# KiCad board SONATA-ONE.kicad_pcb (continued)
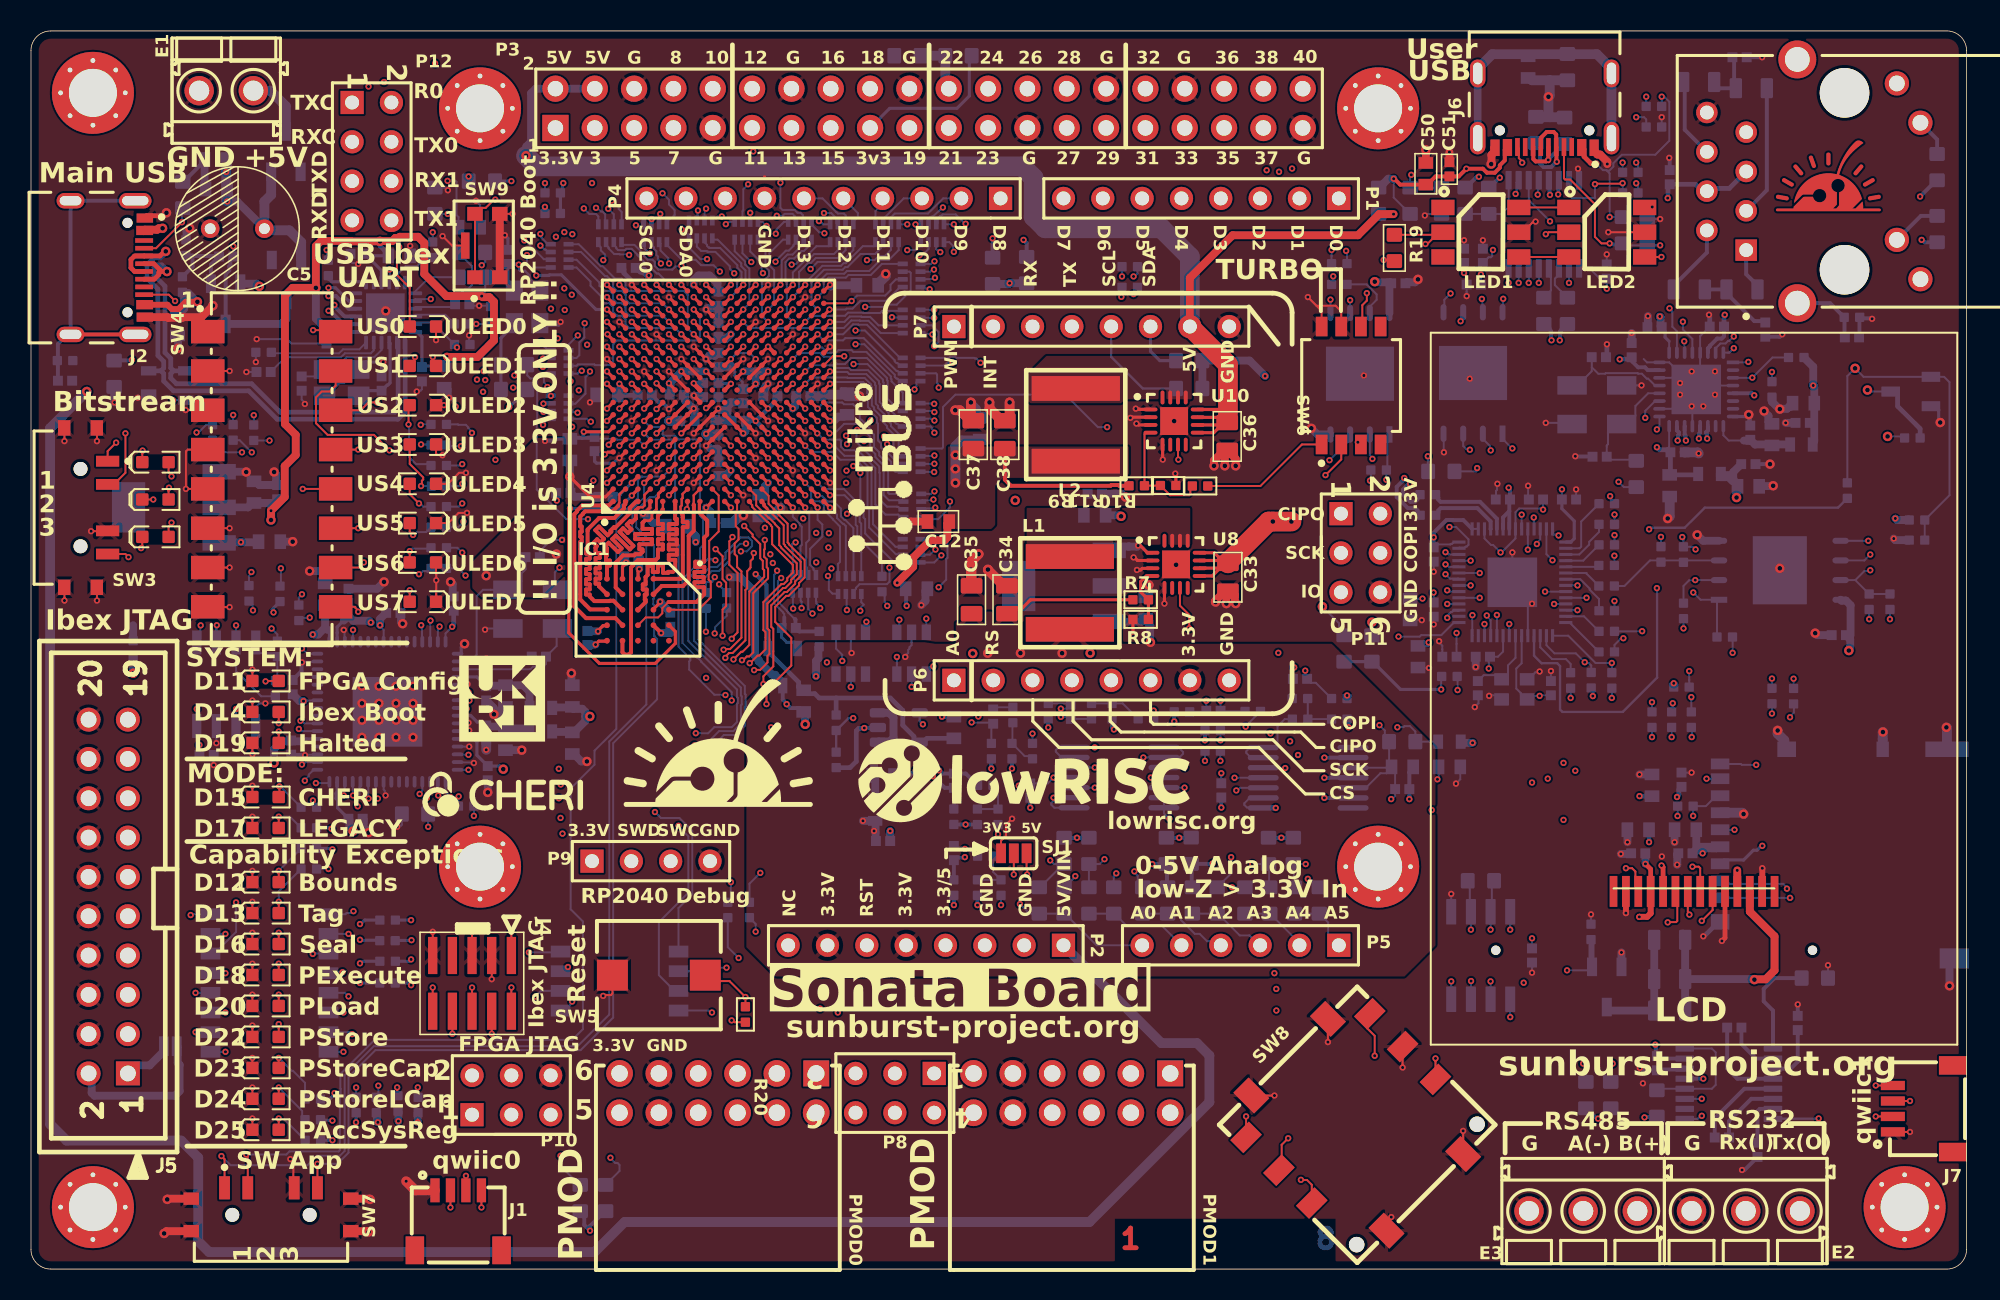
[diagram p0: board, top side]
## Library data of the parts (continued)
U15 = -: Description: IC REG LIN POS ADJ 300MA TSOT5; SUPPLIER 1: Digi-Key; CATEGORY: Voltage Regulators - Linear; STOCK 1: 14167; PRICING 1: 1=1.16000, 10=1.03300, 25=0.98000, 100=0.75250, 250=0.66500, 500=0.63000, 1000=0.49000 (USD); CASE/PACKAGE: TSOT; NUMBER OF PINS: 5; CONTACT PLATING: Tin,Matte; MIN OPERATING TEMPERATURE: -40°C; MAX OPERATING TEMPERATURE: 125°C; OUTPUT CURRENT: 300mA; DROPOUT VOLTAGE: 85mV; OUTPUT VOLTAGE: 5V; NUMBER OF OUTPUTS: 1; MAX OUTPUT CURRENT: 300mA; PACKAGING: Tape and Reel; MAX INPUT VOLTAGE: 5.5V; MIN INPUT VOLTAGE: 2.3V; NUMBER OF REGULATORS: 1; MIN CURRENT LIMIT: 350mA; POLARITY: Positive; QUIESCENT CURRENT: 45uA; REFERENCE VOLTAGE: 500mV; MIN OUTPUT VOLTAGE: 800mV; MAX OUTPUT VOLTAGE: 5V; ACCURACY: 1%; OUTPUT VOLTAGE ACCURACY: 1%; NOMINAL SUPPLY CURRENT: 45uA; OPERATING SUPPLY CURRENT: 45uA; POWER SUPPLY REJECTION RATIO (PSRR): 60dB; MAX SUPPLY CURRENT: 170uA; OUTPUT TYPE: Adjustable; LENGTH: 2.9mm; WIDTH: 1.6mm; HEIGHT: 0.9mm; REACH SVHC: No SVHC; LEAD FREE: Contains Lead; COMPONENTLINK3URL: https://datasheet.ciiva.com/2040/adp122-123-2040698.pdf?src-supplier=Digi-Key; COMPONENTLINK3DESCRIPTION: https://datasheet.ciiva.com/2040/adp122-123-2040698.pdf?src-supplier=Digi-Key; COMPONENTLINK4URL: https://datasheet.ciiva.com/2040/adp122-123-2040699.pdf?src-supplier=Digi-Key; COMPONENTLINK4DESCRIPTION: https://datasheet.ciiva.com/2040/adp122-123-2040699.pdf?src-supplier=Digi-Key; SUPPLIER PART NUMBER 1: ADP123AUJZ-R7TR-ND; .CHECKED SCH: *; .CHECKED PCB: *; MANUFACTURER PART NUMBER: ADP123AUJZ-R7; PART NUMBER: ADP123AUJZ-R7; COMPONENT GROUP: Analog IC; MANUFACTURE 1: Analog Devices Inc.; MANUFACTURE PART NUMBER 1: ADP123AUJZ-R7; PIN COUNT: 5; MOUNTING TECHNOLOGY: SMT; COMPONENT KIND: Standard; COMPONENT TYPE: Standard; PP MATERIAL STACK: 0; PP ROTATION: 0; ki_fp_filters: *SOT23-5P95_285X145L45X40*
U16 = -: Description: IC EEPROM 1K SPI 2MHZ 8SOIC; CATEGORY: IC; TEMPERATURE RANGE HIGH: +85°C; NOMINAL SUPPLY CURRENT: 0.5mA; MOUSER DESCRIPTION: EEPROM Serial-3Wire 1K-Bit 128 x 8/64 x 16 2.5V/3.3V/5V 8-Pin SOIC T/R; IPC LAND PATTERN NAME: SOIC127P600X175-8; TEMPERATURE RANGE LOW: -40°C; MEMORY SIZE: 1Kbits; TEMPERATURE: -40°C to +85°C; DIGIKEY DESCRIPTION: IC EEPROM 1K SPI 2MHZ 8SOIC; LEAD FREE: Yes; DEVICE CLASS L2: Memory; ACCESS TIME: 1000ns; COMPONENTLINK2URL: http://ww1.microchip.com/downloads/en/DeviceDoc/20006224B.pdf; MANUFACTURER: Microchip; AUTOMOTIVE: No; DEVICE CLASS L3: EEPROM; PACKAGE: C04-057-SN; MAX SUPPLY VOLTAGE: 5.5V; OCTOPART: https://octopart.com/at93c46dn-sh-t-microchip-77759177; INTERFACE: Other; ROHS: TRUE; STANDOFF HEIGHT: 0.1mm; MEMORY TYPE: EEPROM; HEIGHT: 1.75mm; MIN SUPPLY VOLTAGE: 1.8V; COMPONENTLINK2DESCRIPTION: Datasheet; FREQUENCY: 2MHz; DEVICE CLASS L1: Integrated Circuits (ICs); ki_fp_filters: *FP-C04-057-SN-MFG*
U17 U19 = -: Description: IC FLASH 256M SPI 133MHZ 8WPDFN; COMPONENT GROUP: Digital IC; MANUFACTURE 1: Winbond; PIN COUNT: 9; SUPPLIER 1: Digi-Key; MOUNTING TECHNOLOGY: SMT; ROHS: Yes; COMPONENT KIND: Standard; COMPONENT TYPE: Standard; PP MATERIAL STACK: 0; PP ROTATION: 0; PP ROTATION1: 0; ki_fp_filters: *WSON68_Micron*
U18 = -: Description: IC FLASH 64M SPI 133MHZ 8WPDFN; COMPONENT GROUP: Digital IC; MANUFACTURE 1: Winbond; PIN COUNT: 9; SUPPLIER 1: Digi-Key; MOUNTING TECHNOLOGY: SMT; ROHS: Yes; COMPONENT KIND: Standard; COMPONENT TYPE: Standard; PP MATERIAL STACK: 0; PP ROTATION: 0; PP ROTATION1: 0; ki_fp_filters: *WSON68_Micron*
U20 U21 = -: Description: None; ki_fp_filters: *TSSOP-ST14_M*
U22 U23 = -: Description: TVS DIODE 3.3V 6V SOT23-6L; PART NUMBER: TVS_4IO_3v3; COMPONENT GROUP: Analog IC; MANUFACTURE 1: Wurth Electronics Inc.; MANUFACTURE PART NUMBER 1: 824013; PIN COUNT: 6; SUPPLIER 1: Digi-Key; SUPPLIER PART NUMBER 1: 732-4466-1-ND; MOUNTING TECHNOLOGY: SMT; ROHS: Yes; COMPONENT KIND: Standard; COMPONENT TYPE: Standard; PP MATERIAL STACK: 0; PP ROTATION: 0; ki_fp_filters: *SOT95P280X145-6N*
X1 = -: Description: CRYSTAL 24.0000MHZ 10PF SMD; COMPONENT GROUP: Crystal; MANUFACTURE 1: Abracon LLC; PIN COUNT: 4; SUPPLIER 1: Digi-Key; SUPPLIER PART NUMBER 1: 535-10913-1-ND; ALTIUM_VALUE: 24.000MHz; COMPONENT KIND: Standard; COMPONENT TYPE: Standard; ki_fp_filters: *ABM8G*
X2 = -: Description: 12MHz, SMD; COMPONENT GROUP: Crystal; MANUFACTURE 1: Abracon LLC; PIN COUNT: 4; SUPPLIER 1: Digi-Key; SUPPLIER PART NUMBER 1: 535-13360-1-ND; ALTIUM_VALUE: 12.000MHz; MOUNTING TECHNOLOGY: SMT; COMPONENT KIND: Standard; COMPONENT TYPE: Standard; PP MATERIAL STACK: 0; PP ROTATION: 0; ki_fp_filters: *2.5x2mm XTAL*
Y1 = -: Description: 12MHz ±25ppm Crystal 16pF 35 Ohms 4-SMD, No Lead; SUPPLIER 1: Digi-Key; STOCK 1: 4955; PRICING 1: 1=0.590000, 10=0.488000, 50=0.439400, 100=0.390600, 500=0.371100 (USD); SUPPLIER PART NUMBER 1: 2151-H130B-12.000-16-2525-EXT-TR-ND; .CHECKED SCH: *; .CHECKED PCB: *; COMPONENT GROUP: Crystal; MANUFACTURE 1: Raltron Electronics; PIN COUNT: 4; ALTIUM_VALUE: 12.000MHz; MOUNTING TECHNOLOGY: SMT; COMPONENT KIND: Standard; COMPONENT TYPE: Standard; PP MATERIAL STACK: 0; PP ROTATION: 0; ki_fp_filters: *5x3.2MM XTAL*
Y2 = -: Description: XTAL Oscillator 25MHz ±50ppm CMOS 3.3V 4-SMD 3.2mm x 2.5mm; LOAD CAPACITANCE: 15pF; MAX OPERATING TEMPERATURE: 85°C; TERMINATION: SMD/SMT; OPERATING FREQUENCY: 25 MHz; HEIGHT: 0.047inch; FREQUENCY: 25MHz; MIN SUPPLY VOLTAGE: 3.135V; MOUNT: Surface Mount; NUMBER OF PINS: 4; LENGTH: 3.2mm; PACKAGING: Tape and Reel; FREQUENCY STABILITY: 50ppm; MAX SUPPLY VOLTAGE: 3.465V; SERIES: ASE; RADIATION HARDENING: No; PACKAGE QUANTITY: 1000; WIDTH: 2.5mm; MIN OPERATING TEMPERATURE: -40°C; LEAD FREE: Lead Free; CASE/PACKAGE: SMD/SMT; DEPTH: 2.5mm; OPERATING SUPPLY VOLTAGE: 3.3V; MAX SUPPLY CURRENT: 13mA; ki_fp_filters: *FP-ASE-MFG*
Y3 = -: Description: 12MHz ±25ppm Crystal 16pF 35 Ohms 4-SMD, No Lead; SUPPLIER 1: Digi-Key; STOCK 1: 4955; PRICING 1: 1=0.590000, 10=0.488000, 50=0.439400, 100=0.390600, 500=0.371100 (USD); SUPPLIER PART NUMBER 1: 2151-H130B-12.000-16-2525-EXT-TR-ND; .CHECKED SCH: *; .CHECKED PCB: *; MANUFACTURER PART NUMBER: H130B-25.000-18-1030-EXT-TR; PART NUMBER: H130B-25.000-18-1030-EXT-TR; COMPONENT GROUP: Crystal; MANUFACTURE 1: Raltron Electronics; MANUFACTURE PART NUMBER 1: H130B-25.000-18-1030-EXT-TR; PIN COUNT: 4; ALTIUM_VALUE: 25.000MHz; MOUNTING TECHNOLOGY: SMT; COMPONENT KIND: Standard; COMPONENT TYPE: Standard; PP MATERIAL STACK: 0; PP ROTATION: 0; ki_fp_filters: *5x3.2MM XTAL*

## Footprints (pads in the part's own frame, mm; a bottom-side part is the same pattern mirrored in y, then rotated)
0.5mm_SMD_Header_5x2
  rect 2.4x0.6 smd: 1(0,0) 2(3.6,0) 3(0,-1.27) 4(3.6,-1.27) 5(0,-2.54) 6(3.6,-2.54) 7(0,-3.81) 8(3.6,-3.81) 9(0,-5.08) 10(3.6,-5.08)
2.5x2mm XTAL
  rect 0.95x0.8 smd: 1(-0.825,-0.65) 2(0.825,-0.65) 3(0.825,0.65) 4(-0.825,0.65)
5x3.2MM XTAL
  rect 1.9x1.2 smd: 1(-1.6,-1.25) 2(1.6,-1.25) 3(1.6,1.25) 4(-1.6,1.25)
741C083
  rect 0.3x0.65 smd: 1A(0,0) 1B(0,1.15) 2A(0.5,0) 2B(0.5,1.15) 3A(1,0) 3B(1,1.15) 4A(1.5,0) 4B(1.5,1.15)
2425755-1
  round 1 hole 1 unplated: (-5.5,-5.45) (5.5,-5.45)
  rect 1.7x1.2 smd: 1(-5.65,4.5) 2(-5.65,1.5) 3(-5.65,-1.5) 4(5.65,4.5) 5(5.65,1.5) 6(5.65,-1.5)
  rect 1.4x1.9 smd: MP1(-3.5,6.175) MP2(3.5,6.175) MP3(3.5,-6.175) MP4(-3.5,-6.175)
ABM8G
  rect 1.4x1.2 smd: 1(0,0) 2(2.2,0) 3(2.2,1.7) 4(0,1.7)
ADAFRUIT618
  round 0.6 hole 0.6 unplated: (6.1,4.2) (6.1,24.65)
  rect 2x0.5 smd far side: 1(9.9,22.2) 2(9.9,21.4) 3(9.9,20.6) 4(9.9,19.8) 5(9.9,19) 6(9.9,18.2) 7(9.9,17.4) 8(9.9,16.6) 9(9.9,15.8) 10(9.9,15) 11(9.9,14.2) 12(9.9,13.4) 13(9.9,12.6) 14(9.9,11.8)
BGA24C100P5X5_600X800X120
  round 0.37 smd: A2(-1,2) A3(0,2) A4(1,2) A5(2,2) B1(-2,1) B2(-1,1) B3(0,1) B4(1,1) B5(2,1) C1(-2,0) C2(-1,0) C3(0,0) C4(1,0) C5(2,0) D1(-2,-1) D2(-1,-1) D3(0,-1) D4(1,-1) D5(2,-1) E1(-2,-2) E2(-1,-2) E3(0,-2) E4(1,-2) E5(2,-2)
Cap_16v_680uF
  round 1.2 hole 0.7: 1(0,0) 2(3.5,0)
CAPC0402_M
  rect 0.64x0.64 smd: 1(-0.46,0) 2(0.46,0)
CAPC0603_M
  rect 0.75x0.95 smd: 1(-0.7,0) 2(0.7,0)
CAPC0805_M
  rrect 1x1.4 smd: 1(-0.9,0) 2(0.9,0)
CONN_10x2_SHROUDED_2.54mm
  rect 1.55x1.55 hole 1.02: 1(0,0)
  round 1.55 hole 1.02: 2(0,2.54) 3(2.54,0) 4(2.54,2.54) 5(5.08,0) 6(5.08,2.54) 7(7.62,0) 8(7.62,2.54) 9(10.16,0) 10(10.16,2.54) 11(12.7,0) 12(12.7,2.54) 13(15.24,0) 14(15.24,2.54) 15(17.78,0) 16(17.78,2.54) 17(20.32,0) 18(20.32,2.54) 19(22.86,0) 20(22.86,2.54)
CSG324
  round 0.35 smd: A1(-6.8,6.8) A2(-6,6.8) A3(-5.2,6.8) A4(-4.4,6.8) A5(-3.6,6.8) A6(-2.8,6.8) A7(-2,6.8) A8(-1.2,6.8) A9(-0.4,6.8) A10(0.4,6.8) A11(1.2,6.8) A12(2,6.8) A13(2.8,6.8) A14(3.6,6.8) A15(4.4,6.8) A16(5.2,6.8) A17(6,6.8) A18(6.8,6.8) B1(-6.8,6) B2(-6,6) B3(-5.2,6) B4(-4.4,6) B5(-3.6,6) B6(-2.8,6) B7(-2,6) B8(-1.2,6) B9(-0.4,6) B10(0.4,6) B11(1.2,6) B12(2,6) B13(2.8,6) B14(3.6,6) B15(4.4,6) B16(5.2,6) B17(6,6) B18(6.8,6) C1(-6.8,5.2) C2(-6,5.2) C3(-5.2,5.2) C4(-4.4,5.2) C5(-3.6,5.2) C6(-2.8,5.2) C7(-2,5.2) C8(-1.2,5.2) C9(-0.4,5.2) C10(0.4,5.2) C11(1.2,5.2) C12(2,5.2) C13(2.8,5.2) C14(3.6,5.2) C15(4.4,5.2) C16(5.2,5.2) C17(6,5.2) C18(6.8,5.2) D1(-6.8,4.4) D2(-6,4.4) D3(-5.2,4.4) D4(-4.4,4.4) D5(-3.6,4.4) D6(-2.8,4.4) D7(-2,4.4) D8(-1.2,4.4) D9(-0.4,4.4) D10(0.4,4.4) D11(1.2,4.4) D12(2,4.4) D13(2.8,4.4) D14(3.6,4.4) D15(4.4,4.4) D16(5.2,4.4) D17(6,4.4) D18(6.8,4.4) E1(-6.8,3.6) E2(-6,3.6) E3(-5.2,3.6) E4(-4.4,3.6) E5(-3.6,3.6) E6(-2.8,3.6) E7(-2,3.6) E8(-1.2,3.6) E9(-0.4,3.6) E10(0.4,3.6) E11(1.2,3.6) E12(2,3.6) E13(2.8,3.6) E14(3.6,3.6) E15(4.4,3.6) E16(5.2,3.6) E17(6,3.6) E18(6.8,3.6) F1(-6.8,2.8) F2(-6,2.8) F3(-5.2,2.8) F4(-4.4,2.8) F5(-3.6,2.8) F6(-2.8,2.8) F7(-2,2.8) F8(-1.2,2.8) F9(-0.4,2.8) F10(0.4,2.8) F11(1.2,2.8) F12(2,2.8) F13(2.8,2.8) F14(3.6,2.8) F15(4.4,2.8) F16(5.2,2.8) F17(6,2.8) F18(6.8,2.8) G1(-6.8,2) G2(-6,2) G3(-5.2,2) G4(-4.4,2) G5(-3.6,2) G6(-2.8,2) G7(-2,2) G8(-1.2,2) G9(-0.4,2) G10(0.4,2) G11(1.2,2) G12(2,2) G13(2.8,2) G14(3.6,2) G15(4.4,2) G16(5.2,2) G17(6,2) G18(6.8,2) H1(-6.8,1.2) H2(-6,1.2) H3(-5.2,1.2) H4(-4.4,1.2) H5(-3.6,1.2) H6(-2.8,1.2) H7(-2,1.2) H8(-1.2,1.2) H9(-0.4,1.2) H10(0.4,1.2) H11(1.2,1.2) H12(2,1.2) H13(2.8,1.2) H14(3.6,1.2) H15(4.4,1.2) H16(5.2,1.2) H17(6,1.2) H18(6.8,1.2) J1(-6.8,0.4) J2(-6,0.4) J3(-5.2,0.4) J4(-4.4,0.4) J5(-3.6,0.4) J6(-2.8,0.4) J7(-2,0.4) J8(-1.2,0.4) J9(-0.4,0.4) J10(0.4,0.4) J11(1.2,0.4) J12(2,0.4) J13(2.8,0.4) J14(3.6,0.4) J15(4.4,0.4) J16(5.2,0.4) J17(6,0.4) J18(6.8,0.4) K1(-6.8,-0.4) K2(-6,-0.4) K3(-5.2,-0.4) K4(-4.4,-0.4) K5(-3.6,-0.4) K6(-2.8,-0.4) K7(-2,-0.4) K8(-1.2,-0.4) K9(-0.4,-0.4) K10(0.4,-0.4) K11(1.2,-0.4) K12(2,-0.4) K13(2.8,-0.4) K14(3.6,-0.4) K15(4.4,-0.4) K16(5.2,-0.4) K17(6,-0.4) K18(6.8,-0.4) L1(-6.8,-1.2) L2(-6,-1.2) L3(-5.2,-1.2) L4(-4.4,-1.2) L5(-3.6,-1.2) L6(-2.8,-1.2) L7(-2,-1.2) L8(-1.2,-1.2) L9(-0.4,-1.2) L10(0.4,-1.2) L11(1.2,-1.2) L12(2,-1.2) L13(2.8,-1.2) L14(3.6,-1.2) L15(4.4,-1.2) L16(5.2,-1.2) L17(6,-1.2) L18(6.8,-1.2) M1(-6.8,-2) M2(-6,-2) M3(-5.2,-2) M4(-4.4,-2) M5(-3.6,-2) M6(-2.8,-2) M7(-2,-2) M8(-1.2,-2) M9(-0.4,-2) M10(0.4,-2) M11(1.2,-2) M12(2,-2) M13(2.8,-2) M14(3.6,-2) M15(4.4,-2) M16(5.2,-2) M17(6,-2) M18(6.8,-2) N1(-6.8,-2.8) N2(-6,-2.8) N3(-5.2,-2.8) N4(-4.4,-2.8) N5(-3.6,-2.8) N6(-2.8,-2.8) N7(-2,-2.8) N8(-1.2,-2.8) N9(-0.4,-2.8) N10(0.4,-2.8) N11(1.2,-2.8) N12(2,-2.8) N13(2.8,-2.8) N14(3.6,-2.8) N15(4.4,-2.8) N16(5.2,-2.8) N17(6,-2.8) N18(6.8,-2.8) P1(-6.8,-3.6) P2(-6,-3.6) P3(-5.2,-3.6) P4(-4.4,-3.6) P5(-3.6,-3.6) P6(-2.8,-3.6) P7(-2,-3.6) P8(-1.2,-3.6) P9(-0.4,-3.6) P10(0.4,-3.6) P11(1.2,-3.6) P12(2,-3.6) P13(2.8,-3.6) P14(3.6,-3.6) P15(4.4,-3.6) P16(5.2,-3.6) P17(6,-3.6) P18(6.8,-3.6) R1(-6.8,-4.4) R2(-6,-4.4) R3(-5.2,-4.4) R4(-4.4,-4.4) R5(-3.6,-4.4) R6(-2.8,-4.4) R7(-2,-4.4) R8(-1.2,-4.4) R9(-0.4,-4.4) R10(0.4,-4.4) R11(1.2,-4.4) R12(2,-4.4) R13(2.8,-4.4) R14(3.6,-4.4) R15(4.4,-4.4) R16(5.2,-4.4) R17(6,-4.4) R18(6.8,-4.4) T1(-6.8,-5.2) T2(-6,-5.2) T3(-5.2,-5.2) T4(-4.4,-5.2) T5(-3.6,-5.2) T6(-2.8,-5.2) T7(-2,-5.2) T8(-1.2,-5.2) T9(-0.4,-5.2) T10(0.4,-5.2) T11(1.2,-5.2) T12(2,-5.2) T13(2.8,-5.2) T14(3.6,-5.2) T15(4.4,-5.2) T16(5.2,-5.2) T17(6,-5.2) T18(6.8,-5.2) U1(-6.8,-6) U2(-6,-6) U3(-5.2,-6) U4(-4.4,-6) U5(-3.6,-6) U6(-2.8,-6) U7(-2,-6) U8(-1.2,-6) U9(-0.4,-6) U10(0.4,-6) U11(1.2,-6) U12(2,-6) U13(2.8,-6) U14(3.6,-6) U15(4.4,-6) U16(5.2,-6) U17(6,-6) U18(6.8,-6) V1(-6.8,-6.8) V2(-6,-6.8) V3(-5.2,-6.8) V4(-4.4,-6.8) V5(-3.6,-6.8) V6(-2.8,-6.8) V7(-2,-6.8) V8(-1.2,-6.8) V9(-0.4,-6.8) V10(0.4,-6.8) V11(1.2,-6.8) V12(2,-6.8) V13(2.8,-6.8) V14(3.6,-6.8) V15(4.4,-6.8) V16(5.2,-6.8) V17(6,-6.8) V18(6.8,-6.8)
EVPAS
  rect 2x2 smd: 1(-3,0) 2(3,0)
FP-1-1825058-9-MFG
  rect 2.16x1.52 smd: 1(-4.13,8.89) 2(-4.13,6.35) 3(-4.13,3.81) 4(-4.13,1.27) 5(-4.13,-1.27) 6(-4.13,-3.81) 7(-4.13,-6.35) 8(-4.13,-8.89) 9(4.13,-8.89) 10(4.13,-6.35) 11(4.13,-3.81) 12(4.13,-1.27) 13(4.13,1.27) 14(4.13,3.81) 15(4.13,6.35) 16(4.13,8.89)
FP-218-4LPSTR-MFG
  rect 1.27x0.76 smd: 1(-3.81,1.905) 2(-3.81,0.635) 3(-3.81,-0.635) 4(-3.81,-1.905) 5(3.81,-1.905) 6(3.81,-0.635) 7(3.81,0.635) 8(3.81,1.905)
FP-218-8LPST-MFG
  rect 1.27x0.76 smd: 1(-3.81,4.445) 2(-3.81,3.175) 3(-3.81,1.905) 4(-3.81,0.635) 5(-3.81,-0.635) 6(-3.81,-1.905) 7(-3.81,-3.175) 8(-3.81,-4.445) 9(3.81,-4.445) 10(3.81,-3.175) 11(3.81,-1.905) 12(3.81,-0.635) 13(3.81,0.635) 14(3.81,1.905) 15(3.81,3.175) 16(3.81,4.445)
FP-ASE-MFG
  rect 1.3x1.1 smd: 1(-1.05,-0.825) 2(1.05,-0.825) 3(1.05,0.825) 4(-1.05,0.825)
FP-C04-057-SN-MFG
  rect 1.55x0.6 smd: 1(-2.7,1.905) 2(-2.7,0.635) 3(-2.7,-0.635) 4(-2.7,-1.905) 5(2.7,-1.905) 6(2.7,-0.635) 7(2.7,0.635) 8(2.7,1.905)
FP-CUS-13TB-MFG
  round 0.9 hole 0.9 unplated: (-2.5,0.75) (2.5,0.75)
  rect 0.7x1.5 smd: 1(-3,2.5) 2(-1.5,2.5) 3(1.5,2.5) 4(3,2.5)
  rect 1x0.8 smd: 5(-5.15,1.8) 6(5.15,1.8) 7(-5.15,-0.3) 8(5.15,-0.3)
FP-DM3AT-SF-PEJM5-MFG
  rect 0.7x1.2 smd: 1(2.775,7.975) 2(1.675,7.975) 3(0.575,7.975) 4(-0.525,7.975) 5(-1.625,7.975) 6(-2.725,7.975) 7(-3.825,7.975) 8(-4.925,7.975) 9(-5.875,7.975)
  rect 1x0.8 smd: 10(-6.825,-2.525)
  rect 1x1.2 smd: 11(4.325,7.975) 12(-6.825,3.675)
  rect 1x2.8 smd: 13(-6.825,-6.675)
  rect 1.3x1.9 smd: 14(6.689,-7.15)
FP-J00-0045NL-MFG
  round 3.2 hole 3.2 unplated: (-5.715,0.005) (5.715,0.005)
  rect 1.39x1.39 hole 0.89: 1(4.445,-6.345)
  round 1.39 hole 0.89: 2(3.175,-8.885) 3(1.905,-6.345) 4(0.635,-8.885) 5(-0.635,-6.345) 6(-1.905,-8.885) 7(-3.175,-6.345) 8(-4.445,-8.885)
  round 1.57 hole 1.02: 9(6.325,4.905) 10(3.785,3.385) 11(-3.785,4.905) 12(-6.325,3.385)
  round 2.45 hole 1.6: 13(-7.875,-3.045) 14(7.875,-3.045)
FP-KMR211GLFS-MFG
  rect 0.9x1 smd: 1(-2.05,0.8) 2(2.05,0.8) 3(-2.05,-0.8) 4(2.05,-0.8)
  rect 1.7x0.55 smd: 5(0,1.425)
FP-QFN55-32LD-PL-5-IPC_C
  rect 0.808x0.239 smd: 1(-2.375,1.75)
  rrect 0.808x0.239 smd: 2(-2.375,1.25) 3(-2.375,0.75) 4(-2.375,0.25) 5(-2.375,-0.25) 6(-2.375,-0.75) 7(-2.375,-1.25) 8(-2.375,-1.75) 17(2.375,-1.75) 18(2.375,-1.25) 19(2.375,-0.75) 20(2.375,-0.25) 21(2.375,0.25) 22(2.375,0.75) 23(2.375,1.25) 24(2.375,1.75)
  rrect 0.239x0.808 smd: 9(-1.75,-2.375) 10(-1.25,-2.375) 11(-0.75,-2.375) 12(-0.25,-2.375) 13(0.25,-2.375) 14(0.75,-2.375) 15(1.25,-2.375) 16(1.75,-2.375) 25(1.75,2.375) 26(1.25,2.375) 27(0.75,2.375) 28(0.25,2.375) 29(-0.25,2.375) 30(-0.75,2.375) 31(-1.25,2.375) 32(-1.75,2.375)
  rect 3.2x3.2 smd: 33(0,0)
FP-USB4105-GF-A-MFG
  round 0.65 hole 0.65 unplated: (-2.89,2.515) (2.89,2.515)
  rrect 1x2.1 hole 0.6x1.7: 1(-4.32,3.015) 2(4.32,3.015)
  rrect 1x1.8 hole 0.6x1.4: 3(-4.32,-1.165) 4(4.32,-1.165)
  rect 0.6x1.065 smd: A1-B12(-3.2,3.632) B1-A12(3.2,3.632)
  rect 0.6x1.09 smd: A4-B9(-2.4,3.62) B4-A9(2.4,3.62)
  rect 0.3x1.15 smd: A5(-1.25,3.59) A6(-0.25,3.59) A7(0.25,3.59) A8(1.25,3.59) B5(1.75,3.59) B6(0.75,3.59) B7(-0.75,3.59) B8(-1.75,3.59)
HDR1X4
  rect 1.5x1.5 hole 0.9: 1(0,0)
  round 1.5 hole 0.9: 2(2.54,0) 3(5.08,0) 4(7.62,0)
HDR1X6_SLW-106-01-T-S
  rect 1.5x1.5 hole 0.9: 1(0,0)
  round 1.5 hole 0.9: 2(2.54,0) 3(5.08,0) 4(7.62,0) 5(10.16,0) 6(12.7,0)
HDR1X8_SLW-108-01-T-S
  rect 1.5x1.5 hole 0.9: 1(0,0)
  round 1.5 hole 0.9: 2(2.54,0) 3(5.08,0) 4(7.62,0) 5(10.16,0) 6(12.7,0) 7(15.24,0) 8(17.78,0)
HDR1X10_SLW-110-01-T-S
  rect 1.5x1.5 hole 0.9: 1(0,0)
  round 1.5 hole 0.9: 2(2.54,0) 3(5.08,0) 4(7.62,0) 5(10.16,0) 6(12.7,0) 7(15.24,0) 8(17.78,0) 9(20.32,0) 10(22.86,0)
HDR2X3
  rect 1.5x1.5 hole 0.9: 1(0,0)
  round 1.5 hole 0.9: 2(0,2.54) 3(2.54,0) 4(2.54,2.54) 5(5.08,0) 6(5.08,2.54)
HDR2X3_CEN
  rect 1.5x1.5 hole 0.9: 1(0,0)
  round 1.5 hole 0.9: 2(2.54,0) 3(5.08,0) 4(0,2.54) 5(2.54,2.54) 6(5.08,2.54)
HDR2X3_XG8T-0641
  rect 1.5x1.5 hole 0.9: 1(0,0)
  round 1.5 hole 0.9: 2(0,2.54) 3(2.54,0) 4(2.54,2.54) 5(5.08,0) 6(5.08,2.54)
HDR2X4_XG8T-0841
  rect 1.5x1.5 hole 0.9: 1(0,0)
  round 1.5 hole 0.9: 2(0,2.54) 3(2.54,0) 4(2.54,2.54) 5(5.08,0) 6(5.08,2.54) 7(7.62,0) 8(7.62,2.54)
HDR2X20_861400402YO2LF
  rect 1.7x1.7 hole 1: 1(0,0)
  round 1.7 hole 1: 2(0,2.54) 3(2.54,0) 4(2.54,2.54) 5(5.08,0) 6(5.08,2.54) 7(7.62,0) 8(7.62,2.54) 9(10.16,0) 10(10.16,2.54) 11(12.7,0) 12(12.7,2.54) 13(15.24,0) 14(15.24,2.54) 15(17.78,0) 16(17.78,2.54) 17(20.32,0) 18(20.32,2.54) 19(22.86,0) 20(22.86,2.54) 21(25.4,0) 22(25.4,2.54) 23(27.94,0) 24(27.94,2.54) 25(30.48,0) 26(30.48,2.54) 27(33.02,0) 28(33.02,2.54) 29(35.56,0) 30(35.56,2.54) 31(38.1,0) 32(38.1,2.54) 33(40.64,0) 34(40.64,2.54) 35(43.18,0) 36(43.18,2.54) 37(45.72,0) 38(45.72,2.54) 39(48.26,0) 40(48.26,2.54)
HVQFN-24-1EP_4x4mm_P0.5mm_EP2.5x2.5mm
  rrect 1.01x1.01 smd: (-0.625,-0.625) (-0.625,0.625) (0.625,-0.625) (0.625,0.625)
  rrect 0.875x0.25 smd: 1(-1.938,1.25) 2(-1.938,0.75) 3(-1.938,0.25) 4(-1.938,-0.25) 5(-1.938,-0.75) 6(-1.938,-1.25) 13(1.938,-1.25) 14(1.938,-0.75) 15(1.938,-0.25) 16(1.938,0.25) 17(1.938,0.75) 18(1.938,1.25)
  rrect 0.25x0.875 smd: 7(-1.25,-1.938) 8(-0.75,-1.938) 9(-0.25,-1.938) 10(0.25,-1.938) 11(0.75,-1.938) 12(1.25,-1.938) 19(1.25,1.938) 20(0.75,1.938) 21(0.25,1.938) 22(-0.25,1.938) 23(-0.75,1.938) 24(-1.25,1.938)
  rect 2.5x2.5 smd: 25(0,0)
IND_0603
  rect 0.64x0.92 smd: 1(-0.73,0) 2(0.73,0)
LED-0603-BLUE
  rrect 0.8x0.8 smd: A(-0.85,0) K(0.85,0)
LED-0603-GREEN
  rrect 0.8x0.8 smd: A(-0.85,0) K(0.85,0)
LED-0603-RED
  rrect 0.8x0.8 smd: A(-0.85,0) K(0.85,0)
MOUNT_M3_TIGHT
  round 0.356 hole 0.305: 1(-2.088,0) 1(-1.476,1.476) 1(-1.476,-1.476) 1(0,2.088) 1(0,-2.088) 1(1.476,1.476) 1(1.476,-1.476) 1(2.088,0)
  round 5.3 hole 3.1: 1(0,0)
NR6028
  rect 1.6x5.7 smd: 1(-2.35,0) 2(2.35,0)
PS_3_5_90_02
  round 1.9 hole 1.3: A1(-1.75,0) A2(1.75,0)
PS_3_5_90_03
  round 1.9 hole 1.3: A1(-3.5,0) A2(0,0) A3(3.5,0)
PW0016A_L
  rrect 1.2x0.4 smd: 1(-2.85,2.275) 2(-2.85,1.625) 3(-2.85,0.975) 4(-2.85,0.325) 5(-2.85,-0.325) 6(-2.85,-0.975) 7(-2.85,-1.625) 8(-2.85,-2.275) 9(2.85,-2.275) 10(2.85,-1.625) 11(2.85,-0.975) 12(2.85,-0.325) 13(2.85,0.325) 14(2.85,0.975) 15(2.85,1.625) 16(2.85,2.275)
QFN16_50P300X300X100_HS-17M
  oval 0.9x0.25 smd: 1(-1.525,0.75) 2(-1.525,0.25) 3(-1.525,-0.25) 4(-1.525,-0.75) 9(1.525,-0.75) 10(1.525,-0.25) 11(1.525,0.25) 12(1.525,0.75)
  oval 0.25x0.9 smd: 5(-0.75,-1.525) 6(-0.25,-1.525) 7(0.25,-1.525) 8(0.75,-1.525) 13(0.75,1.525) 14(0.25,1.525) 15(-0.25,1.525) 16(-0.75,1.525)
  rect 1.8x1.8 smd: 17(0,0)
QFN40P700X700X90-57N-D
  rect 0.85x0.2 smd: 1(-3.45,2.6) 2(-3.45,2.2) 3(-3.45,1.8) 4(-3.45,1.4) 5(-3.45,1) 6(-3.45,0.6) 7(-3.45,0.2) 8(-3.45,-0.2) 9(-3.45,-0.6) 10(-3.45,-1) 11(-3.45,-1.4) 12(-3.45,-1.8) 13(-3.45,-2.2) 14(-3.45,-2.6) 29(3.45,-2.6) 30(3.45,-2.2) 31(3.45,-1.8) 32(3.45,-1.4) 33(3.45,-1) 34(3.45,-0.6) 35(3.45,-0.2) 36(3.45,0.2) 37(3.45,0.6) 38(3.45,1) 39(3.45,1.4) 40(3.45,1.8) 41(3.45,2.2) 42(3.45,2.6)
  rect 0.2x0.85 smd: 15(-2.6,-3.45) 16(-2.2,-3.45) 17(-1.8,-3.45) 18(-1.4,-3.45) 19(-1,-3.45) 20(-0.6,-3.45) 21(-0.2,-3.45) 22(0.2,-3.45) 23(0.6,-3.45) 24(1,-3.45) 25(1.4,-3.45) 26(1.8,-3.45) 27(2.2,-3.45) 28(2.6,-3.45) 43(2.6,3.45) 44(2.2,3.45) 45(1.8,3.45) 46(1.4,3.45) 47(1,3.45) 48(0.6,3.45) 49(0.2,3.45) 50(-0.2,3.45) 51(-0.6,3.45) 52(-1,3.45) 53(-1.4,3.45) 54(-1.8,3.45) 55(-2.2,3.45) 56(-2.6,3.45)
  rect 3.2x3.2 smd: 57(0,0)
QFN64_2_N
  oval 0.75x0.25 smd: 1(-4.525,3.75) 2(-4.525,3.25) 3(-4.525,2.75) 4(-4.525,2.25) 5(-4.525,1.75) 6(-4.525,1.25) 7(-4.525,0.75) 8(-4.525,0.25) 9(-4.525,-0.25) 10(-4.525,-0.75) 11(-4.525,-1.25) 12(-4.525,-1.75) 13(-4.525,-2.25) 14(-4.525,-2.75) 15(-4.525,-3.25) 16(-4.525,-3.75) 33(4.525,-3.75) 34(4.525,-3.25) 35(4.525,-2.75) 36(4.525,-2.25) 37(4.525,-1.75) 38(4.525,-1.25) 39(4.525,-0.75) 40(4.525,-0.25) 41(4.525,0.25) 42(4.525,0.75) 43(4.525,1.25) 44(4.525,1.75) 45(4.525,2.25) 46(4.525,2.75) 47(4.525,3.25) 48(4.525,3.75)
  oval 0.25x0.75 smd: 17(-3.75,-4.525) 18(-3.25,-4.525) 19(-2.75,-4.525) 20(-2.25,-4.525) 21(-1.75,-4.525) 22(-1.25,-4.525) 23(-0.75,-4.525) 24(-0.25,-4.525) 25(0.25,-4.525) 26(0.75,-4.525) 27(1.25,-4.525) 28(1.75,-4.525) 29(2.25,-4.525) 30(2.75,-4.525) 31(3.25,-4.525) 32(3.75,-4.525) 49(3.75,4.525) 50(3.25,4.525) 51(2.75,4.525) 52(2.25,4.525) 53(1.75,4.525) 54(1.25,4.525) 55(0.75,4.525) 56(0.25,4.525) 57(-0.25,4.525) 58(-0.75,4.525) 59(-1.25,4.525) 60(-1.75,4.525) 61(-2.25,4.525) 62(-2.75,4.525) 63(-3.25,4.525) 64(-3.75,4.525)
  rect 4.5x4.5 smd: 65(0,0)
RESC1005X40N
  rrect 0.6x0.6 smd: 1(-0.5,0) 2(0.5,0)
RESC1608X55N
  rrect 0.9x1 smd: 1(-0.85,0) 2(0.85,0)
RESC2012X70N
  rrect 0.8x1.3 smd: 1(-1,0) 2(1,0)
SAMTEC_SSW_106_02_X_D_RA_PMOD
  rect 1.676x1.676 hole 1.067: 1(0,0)
  round 1.727 hole 1.067: 2(0,-2.54) 3(0,-5.08) 4(0,-7.62) 5(0,-10.16) 6(0,-12.7) 7(2.54,0) 8(2.54,-2.54) 9(2.54,-5.08) 10(2.54,-7.62) 11(2.54,-10.16) 12(2.54,-12.7)
SJ_2S_NO
  rect 0.635x1.27 smd: 1(-0.412,0) 2(0.412,0)
SJ_3S_NC12
  rect 0.635x1.27 smd: 1(-0.824,0) 2(0,0) 3(0.824,0)
SM04B-SRSS-TB(LFSN)
  rect 0.6x1.55 smd: 1(1.5,4.661) 2(2.5,4.661) 3(3.5,4.661) 4(4.5,4.661)
  rect 1.2x1.8 smd: 5(0.2,0.786) 6(5.8,0.786)
SOIC8_NARROW
  rrect 1.65x0.65 smd: 1(-2.825,1.905) 2(-2.825,0.635) 3(-2.825,-0.635) 4(-2.825,-1.905) 5(2.825,-1.905) 6(2.825,-0.635) 7(2.825,0.635) 8(2.825,1.905)
SOT23-5P95_285X145L45X40
  rrect 0.6x1.05 smd: 1(-0.95,-1.35) 2(0,-1.35) 3(0.95,-1.35) 4(0.95,1.35) 5(-0.95,1.35)
SOT95P237X112-3N
  rect 1x0.6 smd: 1(-1.2,0.95) 2(-1.2,-0.95) 3(1.2,0)
SOT95P245X110-3M
  rect 1.2x0.65 smd: 1(-1.3,0.95) 2(-1.3,-0.95) 3(1.3,0)
SOT95P280X145-6N
  rect 1x0.6 smd: 1(-1.35,0.95) 2(-1.35,0) 3(-1.35,-0.95) 4(1.35,-0.95) 5(1.35,0) 6(1.35,0.95)
SOT143B
  rect 1x1 smd: 1(-1.2,0.75)
  rect 1x0.6 smd: 2(-1.2,-0.95) 3(1.2,-0.95) 4(1.2,0.95)
SOT-223
  rect 2.15x1 smd: 1(-2.925,2.3) 2(-2.925,0) 3(-2.925,-2.3)
  rect 2.15x3.25 smd: 4(2.925,0)
TSSOP-ST14_M
  oval 2x0.35 smd: 1(-2.9,1.95) 2(-2.9,1.3) 3(-2.9,0.65) 4(-2.9,0) 5(-2.9,-0.65) 6(-2.9,-1.3) 7(-2.9,-1.95) 8(2.9,-1.95) 9(2.9,-1.3) 10(2.9,-0.65) 11(2.9,0) 12(2.9,0.65) 13(2.9,1.3) 14(2.9,1.95)
WS2813B_5x5
  rect 1.5x1 smd: 1(-2.45,1.6) 2(-2.45,0) 3(-2.45,-1.6) 4(2.45,-1.6) 5(2.45,0) 6(2.45,1.6)
WSON68_Micron
  rect 1.061x0.392 smd: 1(-3.926,1.905)
  rrect 1.061x0.392 smd: 2(-3.926,0.635) 3(-3.926,-0.635) 4(-3.926,-1.905) 5(3.926,-1.905) 6(3.926,-0.635) 7(3.926,0.635) 8(3.926,1.905)
  rect 3.5x4.4 smd: 9(0,0)

## Nets
1V8_FTDI: C76.1 C117.1 C134.1 C135.1 U5.12 U5.37 U5.49 U5.64
3V3_FTDI: C21.1 C22.1 C23.1 C24.1 C25.1 C26.1 C27.1 C28.1 C29.1 C30.1 C34.1 C35.1 C54.1 C55.1 C56.1 C64.2 C65.1 C69.1 C72.1 C75.1 C79.1 C80.1 C82.1 C83.1 C86.1 C87.1 C88.1 C89.1 C90.1 C91.1 C100.1 C110.1 C111.1 C112.1 C113.1 C114.1 C115.1 C121.1 C122.1 C125.1 C129.1 C136.1 C137.1 C138.1 C141.1 J1.2 J3.9 J3.12 J4.1 J5.1 J7.2 L1.2 L3.1 L5.1 L6.1 L7.1 L9.1 LCD1.4 LCD1.10 LCD1.11 P2.5 P2.7 P3.1 P3.17 P6.7 P9.1 P10.2 P11.2 PMOD0.6 PMOD0.12 PMOD1.6 PMOD1.12 R5.1 R6.1 R7.1 R20.1 R21.2 R45.1 R46.1 R54.1 R62.1 R64.1 R67.2 R71.2 R118.1 R119.1 R120.1 R121.1 R125.1 R126.1 R127.1 R128.1 R134.1 R160.2 R161.2 R162.2 R163.2 R164.2 R165.2 R166.2 R193.1 R199.1 R200.2 R201.2 R202.2 R203.1 R206.2 R207.2 R208.1 R209.1 R212.2 SD1.4 SJ1.1 SJ2.1 U3.8 U4.A17 U4.B10 U4.C13 U4.D16 U4.G15 U4.H18 U4.K4 U4.K14 U4.L17 U4.N3 U4.N13 U4.P6 U4.P8 U4.P11 U4.P12 U4.P13 U4.P16 U4.R9 U4.T2 U4.T12 U4.U5 U4.U15 U4.V8 U4.V18 U5.20 U5.31 U5.42 U5.50 U5.56 U7.15 U9.3 U11.1 U11.10 U11.22 U11.33 U11.42 U11.43 U11.44 U11.48 U11.49 U13.15 U13.16 U16.6 U16.8 U17.8 U18.8 U19.8 U22.5 U23.5 Y2.1 Y2.4
+1V85_XADC_VCC: C58.1 C59.1 C139.1 R37.1 U4.H10 U14.1 U15.5
